# Altium PCB Even.PcbDoc (part 1 of 3)
Units mm, origin at the board's own origin, x right, y up, seen from the top; angles counter-clockwise.
Board outline 382.95 x 69.8 mm, 4 copper layers (Top Layer, Internal Top, Internal Bottom, Bottom Layer), stack 0.778 mm thick; 240 components, 191 nets, 723 pads, 380 vias.
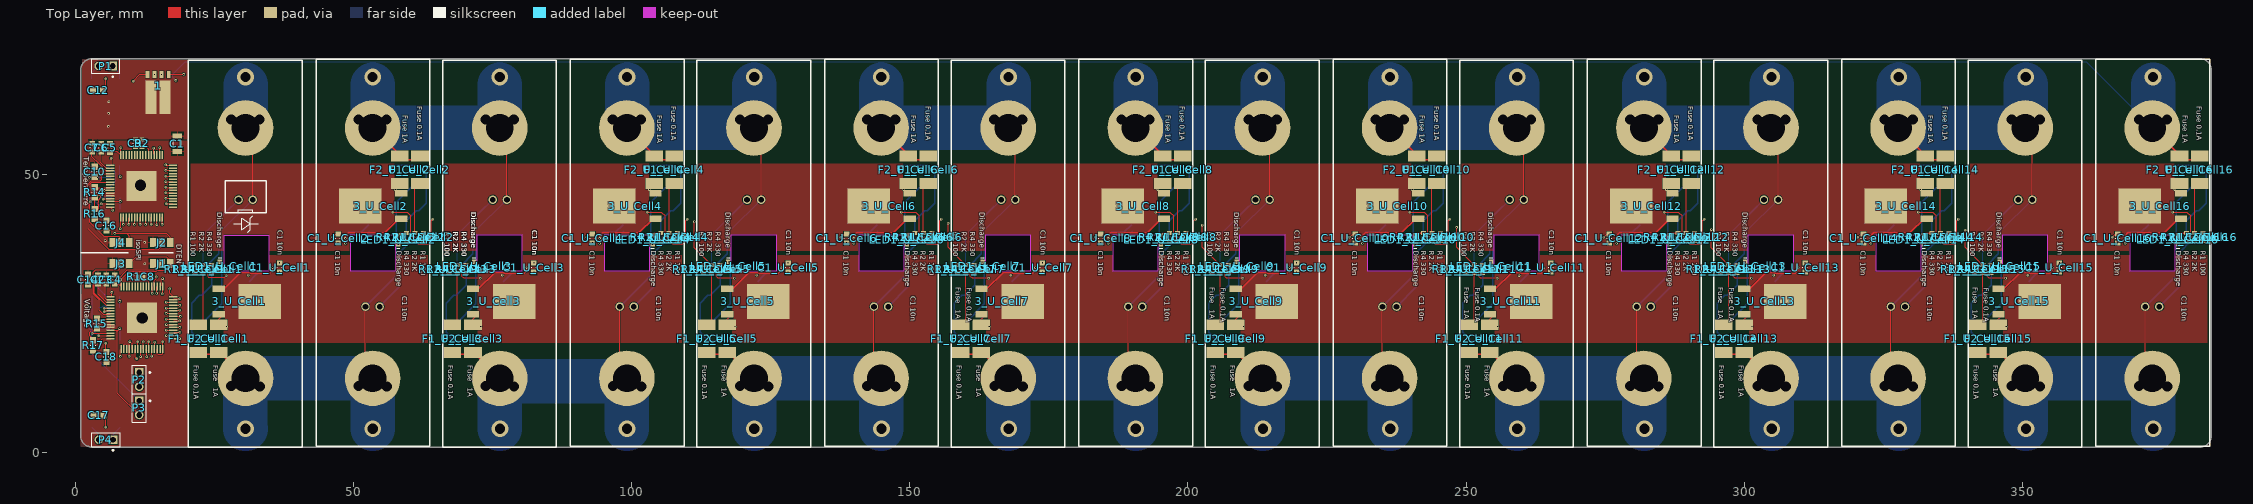
[diagram p0: Top Layer view]
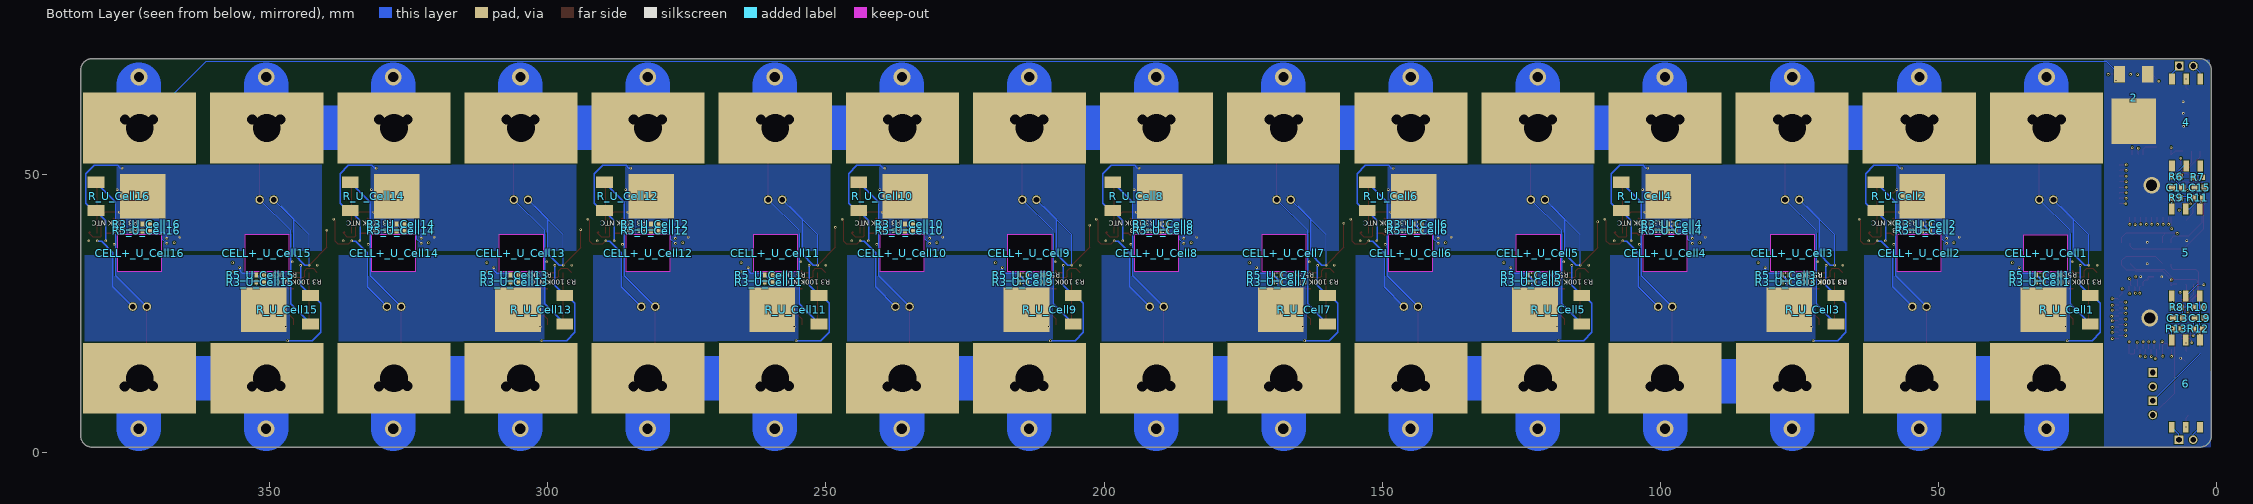
[diagram p1: Bottom Layer view, seen from below]
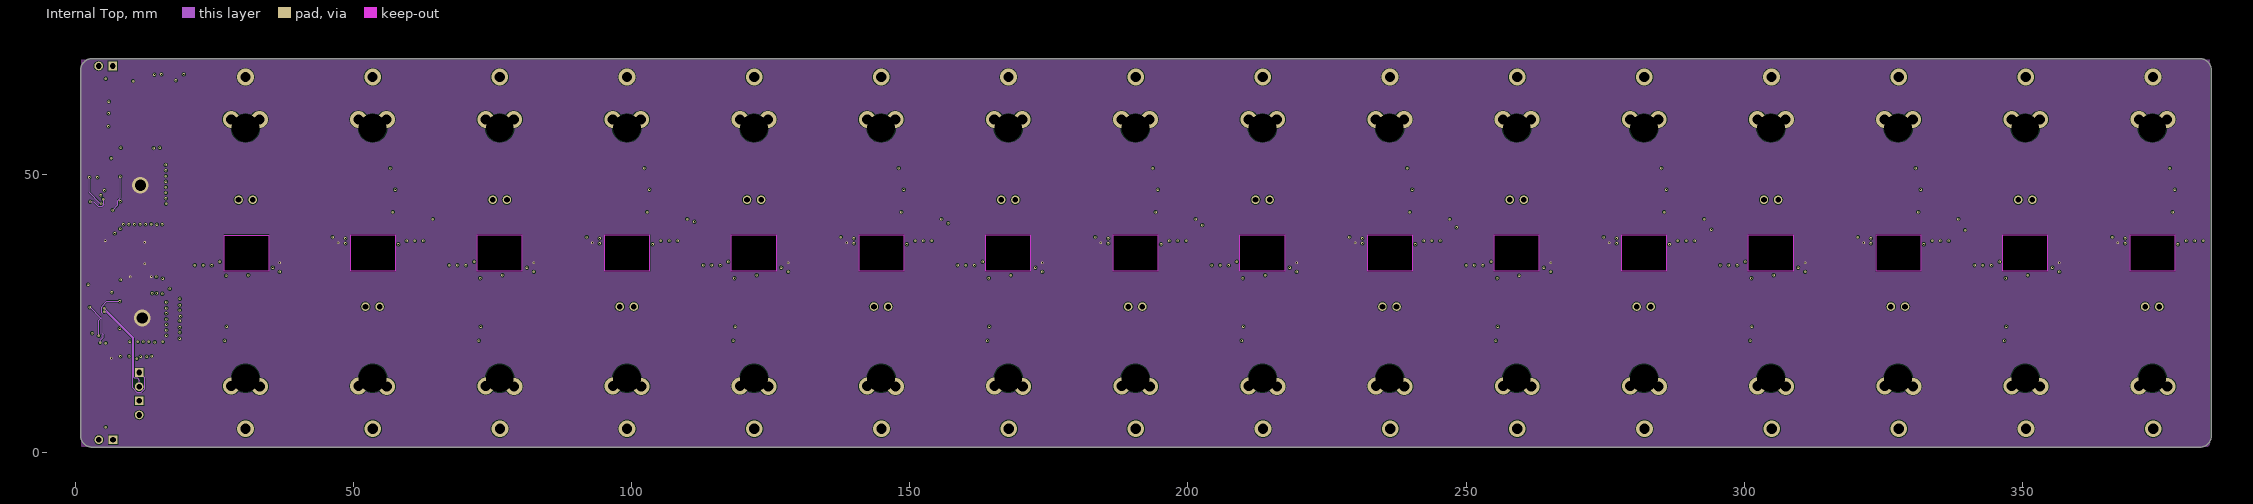
[diagram p2: Internal Top]
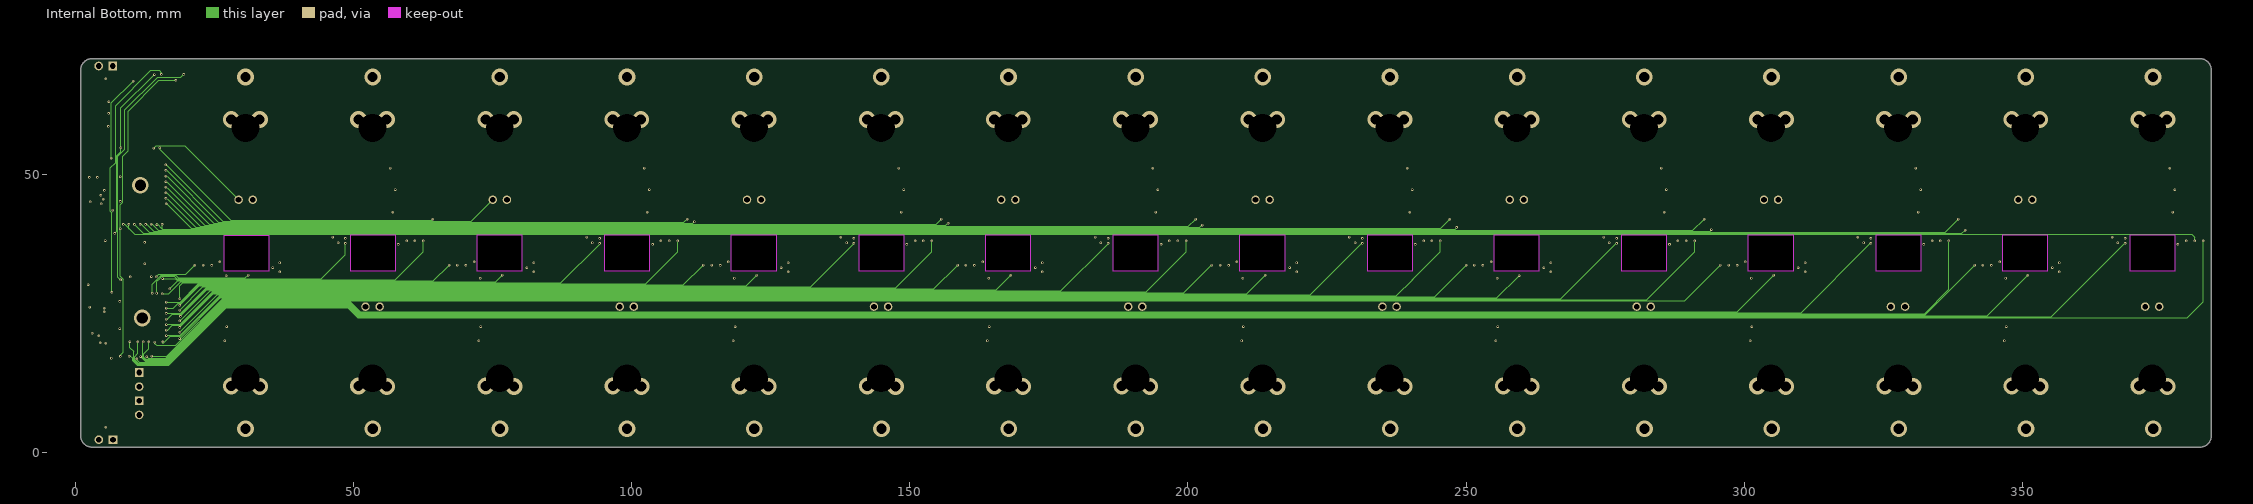
[diagram p3: Internal Bottom]

## Layer stack, top to bottom
Top Solder: solder mask 0.0102, Solder Resist, Dk 3.5
Top Layer: signal copper 0.0356
Dielectric 1: core 0.254, FR-4, Dk 4.2
Internal Top: signal copper 0.036
Dielectric 4: prepreg 0.127, Dk 4.2
Internal Bottom: signal copper 0.036
Dielectric 3: core 0.254, Dk 4.2
Bottom Layer: signal copper 0.0356
Bottom Solder: solder mask 0.0102, Solder Resist, Dk 3.5

## Board outline
1,3 1,68.8 cw(c3,68.8) 3,70.8 375.6,70.8 382,70.8 cw(c381.975,68.825) 383.95,68.8 383.95,3 cw(c381.975,2.975) 382,1 375.6,1 3,1 cw(c3,3)
cut-out: 72.25,39.125 80.275,39.125 80.275,32.624 72.25,32.624
cut-out: 72.25,39.125 80.275,39.125 80.275,32.624 72.25,32.624
cut-out: 377.425,32.625 369.4,32.625 369.4,39.126 377.425,39.126
cut-out: 331.725,32.625 323.7,32.625 323.7,39.126 331.725,39.126
cut-out: 286.025,32.625 278,32.625 278,39.126 286.025,39.126
cut-out: 240.325,32.625 232.3,32.625 232.3,39.126 240.325,39.126
cut-out: 194.625,32.625 186.6,32.625 186.6,39.126 194.625,39.126
cut-out: 148.925,32.625 140.9,32.625 140.9,39.126 148.925,39.126
cut-out: 103.225,32.625 95.2,32.625 95.2,39.126 103.225,39.126
cut-out: 255.05,39.125 263.075,39.125 263.075,32.624 255.05,32.624
cut-out: 346.45,39.125 354.475,39.125 354.475,32.624 346.45,32.624
cut-out: 300.75,39.125 308.775,39.125 308.775,32.624 300.75,32.624
cut-out: 209.35,39.125 217.375,39.125 217.375,32.624 209.35,32.624
cut-out: 163.65,39.125 171.675,39.125 171.675,32.624 163.65,32.624
cut-out: 117.95,39.125 125.975,39.125 125.975,32.624 117.95,32.624
cut-out: 57.525,32.625 49.5,32.625 49.5,39.126 57.525,39.126

## Design rules (kind name [scope] priority, off if disabled: settings)
Clearance [All] p1: gap=0.089 ignorepadtopadclearanceinfootprint=TRUE except(0: Arc-Text Arc-Hole Track-Text Track-Hole SMDPad-Text SMDPad-Hole THPad-Text THPad-Hole Via-Text Via-Hole Fill-Text Fill-Hole Poly-Text Poly-Hole Region-Text Region-Hole Text-Text Text-Hole; 0.127: Arc-THPad Arc-Via Track-THPad Track-Via SMDPad-THPad SMDPad-Via THPad-THPad THPad-Via THPad-Fill THPad-Poly THPad-Region Via-Via Via-Fill Via-Poly Via-Region)
HoleSize [All] p1: absolutevalues=TRUE maxlimit=6.3 minlimit=0.2 maxpercent=80.000 minpercent=20.000
MinimumAnnularRing [All] p1: minimumring=0.076
MinimumSolderMaskSliver [All] p1: minsoldermaskwidth=0.076
PlaneConnect [All] p1: planeconnectstyle=Direct reliefexpansion=0.508 reliefentries=4 reliefconductorwidth=0.254 reliefairgap=0.254
PolygonConnect "LTC6813 GND Plane" [HasFootprint('LQFP64_LWE_A')] p1: connectstyle=Direct reliefconductorwidth=2 reliefentries=4 polygonreliefangle="90 Angle" airgapwidth=0.254
PolygonConnect "TKH45 Planes" [HasFootprint('TO252-TKH-45')] p2: connectstyle=Direct reliefconductorwidth=0.254 reliefentries=4 polygonreliefangle="90 Angle" airgapwidth=0.254
PolygonConnect "LFPAK56 Planes" [HasFootprint('LFPAK56D')] p3: connectstyle=Direct reliefconductorwidth=0.254 reliefentries=4 polygonreliefangle="90 Angle" airgapwidth=0.254
PolygonConnect "TO252 Planes" [HasFootprint('TO252')] p4: connectstyle=Direct reliefconductorwidth=0.254 reliefentries=4 polygonreliefangle="90 Angle" airgapwidth=0.254
PolygonConnect "All planes" [All] p5: thpad.connectstyle=Relief thpad.reliefconductorwidth=0.254 thpad.reliefentries=4 thpad.polygonreliefangle="90 Angle" thpad.airgapwidth=0.254 smdpad.connectstyle=Relief smdpad.reliefconductorwidth=0.254 smdpad.reliefentries=4 smdpad.polygonreliefangle="90 Angle" smdpad.airgapwidth=0.254 via.connectstyle=Direct via.reliefconductorwidth=0.254 via.reliefentries=4 via.polygonreliefangle="90 Angle" via.airgapwidth=0.254
RoomDefinition U_Comms [InComponentClass('U_Comms')] p1: confinementstyle=ConfineIn formatcopy=TRUE lockcomponents=FALSE outline 20.85,73.875 0,73.875 0,0.15 20.85,0.15
RoomDefinition Even [InComponentClass('Even')] p2: confinementstyle=ConfineIn formatcopy=TRUE lockcomponents=FALSE outline 0.325,72.9 0.325,0.525 20.2,0.525 20.2,72.9
RoomDefinition U_Cell16 [InComponentClass('U_Cell16')] p3: confinementstyle=ConfineIn formatcopy=TRUE lockcomponents=FALSE outline 385.6,71 362.75,71 362.75,0.75 385.6,0.75
RoomDefinition U_Cell15 [InComponentClass('U_Cell15')] p4: confinementstyle=ConfineIn formatcopy=TRUE lockcomponents=FALSE outline 339.9,0.75 362.75,0.75 362.75,71 339.9,71
RoomDefinition U_Cell14 [InComponentClass('U_Cell14')] p5: confinementstyle=ConfineIn formatcopy=TRUE lockcomponents=FALSE outline 339.9,71 317.05,71 317.05,0.75 339.9,0.75
RoomDefinition U_Cell13 [InComponentClass('U_Cell13')] p6: confinementstyle=ConfineIn formatcopy=TRUE lockcomponents=FALSE outline 294.2,0.75 317.05,0.75 317.05,71 294.2,71
RoomDefinition U_Cell10 [InComponentClass('U_Cell10')] p7: confinementstyle=ConfineIn formatcopy=TRUE lockcomponents=FALSE outline 248.5,71 225.65,71 225.65,0.75 248.5,0.75
RoomDefinition U_Cell9 [InComponentClass('U_Cell9')] p8: confinementstyle=ConfineIn formatcopy=TRUE lockcomponents=FALSE outline 202.8,0.75 225.65,0.75 225.65,71 202.8,71
RoomDefinition U_Cell8 [InComponentClass('U_Cell8')] p9: confinementstyle=ConfineIn formatcopy=TRUE lockcomponents=FALSE outline 202.8,71 179.95,71 179.95,0.75 202.8,0.75
RoomDefinition U_Cell7 [InComponentClass('U_Cell7')] p10: confinementstyle=ConfineIn formatcopy=TRUE lockcomponents=FALSE outline 157.1,0.75 179.95,0.75 179.95,71 157.1,71
RoomDefinition U_Cell6 [InComponentClass('U_Cell6')] p11: confinementstyle=ConfineIn formatcopy=TRUE lockcomponents=FALSE outline 157.1,71 134.25,71 134.25,0.75 157.1,0.75
RoomDefinition U_Cell5 [InComponentClass('U_Cell5')] p12: confinementstyle=ConfineIn formatcopy=TRUE lockcomponents=FALSE outline 111.4,0.75 134.25,0.75 134.25,71 111.4,71
RoomDefinition U_Cell4 [InComponentClass('U_Cell4')] p13: confinementstyle=ConfineIn formatcopy=TRUE lockcomponents=FALSE outline 111.4,71 88.55,71 88.55,0.75 111.4,0.75
RoomDefinition U_Cell3 [InComponentClass('U_Cell3')] p14: confinementstyle=ConfineIn formatcopy=TRUE lockcomponents=FALSE outline 65.7,0.75 88.55,0.75 88.55,71 65.7,71
RoomDefinition U_Cell2 [InComponentClass('U_Cell2')] p15: confinementstyle=ConfineIn formatcopy=TRUE lockcomponents=FALSE outline 65.7,71 42.85,71 42.85,0.75 65.7,0.75
RoomDefinition U_Cell1 [InComponentClass('U_Cell1')] p16: confinementstyle=ConfineIn formatcopy=TRUE lockcomponents=FALSE outline 20,0.75 42.85,0.75 42.85,71 20,71
RoomDefinition U_Cell11 [InComponentClass('U_Cell11')] p17: confinementstyle=ConfineIn formatcopy=TRUE lockcomponents=FALSE outline 248.5,0.75 271.35,0.75 271.35,71 248.5,71
RoomDefinition U_Cell12 [InComponentClass('U_Cell12')] p18: confinementstyle=ConfineIn formatcopy=TRUE lockcomponents=FALSE outline 294.2,71 271.35,71 271.35,0.75 294.2,0.75
RoutingVias [All] p1: holewidth=0.2 width=0.45 viastyle="Through Hole" minholewidth=0.2 minwidth=0.45 maxholewidth=6 maxwidth=10
SilkToSilkClearance [All] p1: silktosilkclearance=0.076
SilkToSolderMaskClearance [IsPad] p1: minsilkscreentomaskgap=0.076 clearancetoexposedcopper=TRUE
SolderMaskExpansion [All] p1: expansion=0.102
UnRoutedNet [All] p1: checkbadconnections=TRUE
Width [All] p1: maxlimit=8 minlimit=0.089 preferedwidth=0.127
24 further rules are at their usual default settings.

## Classes and differential pairs
component class U_Comms: 4 5 6 C10 C11 C12 C13 C14 C15 C16 C17 C18 C19 P1 P2 P3 P4 R6 R7 R8 R9 R10 R11 R12 R13 R14 R15 R16 R17
net class V[1..16]: V1 V2 V3 V4 V5 V6 V7 V8 V9 V10 V11 V12 V13 V14 V15 V16
net class T[1..16]: T1 T2 T3 T4 T5 T6 T7 T8 T9 T10 T11 T12 T13 T14 T15 T16
net class S[1..16]: S1 S2 S3 S4 S5 S6 S7 S8 S9 S10 S11 S12 S13 S14 S15 S16
component class Even: 1 2 C1 C2 C3 C4 C5 C6 C7 C8 C9 J1 J2 J3 J4 R1 R2 Temperature Voltage
net class NEG[1..16]: NEG1 NEG2 NEG3 NEG4 NEG5 NEG6 NEG7 NEG8 NEG9 NEG10 NEG11 NEG12 NEG13 NEG14 NEG15 NEG16
component class U_Cell16: 3_U_Cell16 C1_U_Cell16 CELL+_U_Cell16 F1_U_Cell16 F2_U_Cell16 LED1_U_Cell16 R1_U_Cell16 R2_U_Cell16 R3_U_Cell16 R4_U_Cell16 R5_U_Cell16 R_U_Cell16
component class U_Cell15: 3_U_Cell15 C1_U_Cell15 CELL+_U_Cell15 F1_U_Cell15 F2_U_Cell15 LED1_U_Cell15 R1_U_Cell15 R2_U_Cell15 R3_U_Cell15 R4_U_Cell15 R5_U_Cell15 R_U_Cell15
component class U_Cell14: 3_U_Cell14 C1_U_Cell14 CELL+_U_Cell14 F1_U_Cell14 F2_U_Cell14 LED1_U_Cell14 R1_U_Cell14 R2_U_Cell14 R3_U_Cell14 R4_U_Cell14 R5_U_Cell14 R_U_Cell14
component class U_Cell13: 3_U_Cell13 C1_U_Cell13 CELL+_U_Cell13 F1_U_Cell13 F2_U_Cell13 LED1_U_Cell13 R1_U_Cell13 R2_U_Cell13 R3_U_Cell13 R4_U_Cell13 R5_U_Cell13 R_U_Cell13
component class U_Cell12: 3_U_Cell12 C1_U_Cell12 F1_U_Cell12 F2_U_Cell12 LED1_U_Cell12 R1_U_Cell12 R2_U_Cell12 R3_U_Cell12 R4_U_Cell12 R5_U_Cell12 R_U_Cell12
component class U_Cell11: 3_U_Cell11 C1_U_Cell11 CELL+_U_Cell11 F1_U_Cell11 F2_U_Cell11 LED1_U_Cell11 R1_U_Cell11 R2_U_Cell11 R3_U_Cell11 R4_U_Cell11 R5_U_Cell11 R_U_Cell11
component class U_Cell10: 3_U_Cell10 C1_U_Cell10 CELL+_U_Cell10 F1_U_Cell10 F2_U_Cell10 LED1_U_Cell10 R1_U_Cell10 R2_U_Cell10 R3_U_Cell10 R4_U_Cell10 R5_U_Cell10 R_U_Cell10
component class U_Cell9: 3_U_Cell9 C1_U_Cell9 CELL+_U_Cell9 F1_U_Cell9 F2_U_Cell9 LED1_U_Cell9 R1_U_Cell9 R2_U_Cell9 R3_U_Cell9 R4_U_Cell9 R5_U_Cell9 R_U_Cell9
component class U_Cell8: 3_U_Cell8 C1_U_Cell8 F1_U_Cell8 F2_U_Cell8 LED1_U_Cell8 R1_U_Cell8 R2_U_Cell8 R3_U_Cell8 R4_U_Cell8 R5_U_Cell8 R_U_Cell8
component class U_Cell7: 3_U_Cell7 C1_U_Cell7 CELL+_U_Cell7 F1_U_Cell7 F2_U_Cell7 LED1_U_Cell7 R1_U_Cell7 R2_U_Cell7 R3_U_Cell7 R4_U_Cell7 R5_U_Cell7 R_U_Cell7
component class U_Cell6: 3_U_Cell6 C1_U_Cell6 CELL+_U_Cell6 F1_U_Cell6 F2_U_Cell6 LED1_U_Cell6 R1_U_Cell6 R2_U_Cell6 R3_U_Cell6 R4_U_Cell6 R5_U_Cell6 R_U_Cell6
component class U_Cell5: 3_U_Cell5 C1_U_Cell5 CELL+_U_Cell5 F1_U_Cell5 F2_U_Cell5 LED1_U_Cell5 R1_U_Cell5 R2_U_Cell5 R3_U_Cell5 R4_U_Cell5 R5_U_Cell5 R_U_Cell5
component class U_Cell4: 3_U_Cell4 C1_U_Cell4 F1_U_Cell4 F2_U_Cell4 LED1_U_Cell4 R1_U_Cell4 R2_U_Cell4 R3_U_Cell4 R4_U_Cell4 R5_U_Cell4 R_U_Cell4
component class U_Cell3: 3_U_Cell3 C1_U_Cell3 CELL+_U_Cell3 F1_U_Cell3 F2_U_Cell3 LED1_U_Cell3 R1_U_Cell3 R2_U_Cell3 R3_U_Cell3 R4_U_Cell3 R5_U_Cell3 R_U_Cell3
component class U_Cell2: 3_U_Cell2 C1_U_Cell2 CELL+_U_Cell2 F1_U_Cell2 F2_U_Cell2 LED1_U_Cell2 R1_U_Cell2 R2_U_Cell2 R3_U_Cell2 R4_U_Cell2 R5_U_Cell2 R_U_Cell2
component class U_Cell1: 3_U_Cell1 C1_U_Cell1 CELL+_U_Cell1 Discharge F1_U_Cell1 F2_U_Cell1 LED1_U_Cell1 "R1 100" R1_U_Cell1 "R2 2K" R2_U_Cell1 R3_U_Cell1 "R4 330" R4_U_Cell1 R5_U_Cell1 R_U_Cell1
channel class Cell: Cell1 Cell2 Cell3 Cell4 Cell5 Cell6 Cell7 Cell8 Cell9 Cell10 Cell11 Cell12 Cell13 Cell14 Cell15 Cell16

## Components (designator, comment, footprint, x,y, rotation, side; value= is the part's Value field where it differs from the comment)
1 "PHPT610030NK" LFPAK56D 14.9,64.8 r180 top
2 "TKH45" TO252-TKH-45 14.95,55.5 r0 bottom
3_U_Cell1 "DMP10H400SK3-13" TO252 33.209,27.205 r270 top (schematic designator 3)
3_U_Cell2 "DMP10H400SK3-13" TO252 51.216,44.304 r90 top (schematic designator 3)
3_U_Cell3 "DMP10H400SK3-13" TO252 78.909,27.205 r270 top (schematic designator 3)
3_U_Cell4 "DMP10H400SK3-13" TO252 96.916,44.304 r90 top (schematic designator 3)
3_U_Cell5 "DMP10H400SK3-13" TO252 124.609,27.205 r270 top (schematic designator 3)
3_U_Cell6 "DMP10H400SK3-13" TO252 142.616,44.304 r90 top (schematic designator 3)
3_U_Cell7 "DMP10H400SK3-13" TO252 170.309,27.205 r270 top (schematic designator 3)
3_U_Cell8 "DMP10H400SK3-13" TO252 188.316,44.304 r90 top (schematic designator 3)
3_U_Cell9 "DMP10H400SK3-13" TO252 216.009,27.205 r270 top (schematic designator 3)
3_U_Cell10 "DMP10H400SK3-13" TO252 234.016,44.304 r90 top (schematic designator 3)
3_U_Cell11 "DMP10H400SK3-13" TO252 261.709,27.205 r270 top (schematic designator 3)
3_U_Cell12 "DMP10H400SK3-13" TO252 279.716,44.304 r90 top (schematic designator 3)
3_U_Cell13 "DMP10H400SK3-13" TO252 307.409,27.205 r270 top (schematic designator 3)
3_U_Cell14 "DMP10H400SK3-13" TO252 325.416,44.304 r90 top (schematic designator 3)
3_U_Cell15 "DMP10H400SK3-13" TO252 353.109,27.205 r270 top (schematic designator 3)
3_U_Cell16 "DMP10H400SK3-13" TO252 371.116,44.304 r90 top (schematic designator 3)
4 "HM2108NL" HM2108NL 5.5,59.375 r0 bottom
5 "HM2108NL" HM2108NL 5.575,35.95 r0 bottom
6 "HM2108NL" HM2108NL 5.55,12.4 r180 bottom
C1 "CAP 220nF 100V 1206(3216)" CAPC1206(3216)190_L 18.364,55.524 r90 top value=220nF
C1_U_Cell1 "CAP 10nF 100V 0603(1608)" CAPC0603(1608)100_N 36.75,33.25 r270 top value=10nF (schematic designator C1)
C1_U_Cell2 "CAP 10nF 100V 0603(1608)" CAPC0603(1608)100_N 47.25,38.5 r90 top value=10nF (schematic designator C1)
C1_U_Cell3 "CAP 10nF 100V 0603(1608)" CAPC0603(1608)100_N 82.45,33.25 r270 top value=10nF (schematic designator C1)
C1_U_Cell4 "CAP 10nF 100V 0603(1608)" CAPC0603(1608)100_N 92.95,38.5 r90 top value=10nF (schematic designator C1)
C1_U_Cell5 "CAP 10nF 100V 0603(1608)" CAPC0603(1608)100_N 128.15,33.25 r270 top value=10nF (schematic designator C1)
C1_U_Cell6 "CAP 10nF 100V 0603(1608)" CAPC0603(1608)100_N 138.65,38.5 r90 top value=10nF (schematic designator C1)
C1_U_Cell7 "CAP 10nF 100V 0603(1608)" CAPC0603(1608)100_N 173.85,33.25 r270 top value=10nF (schematic designator C1)
C1_U_Cell8 "CAP 10nF 100V 0603(1608)" CAPC0603(1608)100_N 184.35,38.5 r90 top value=10nF (schematic designator C1)
C1_U_Cell9 "CAP 10nF 100V 0603(1608)" CAPC0603(1608)100_N 219.55,33.25 r270 top value=10nF (schematic designator C1)
C1_U_Cell10 "CAP 10nF 100V 0603(1608)" CAPC0603(1608)100_N 230.05,38.5 r90 top value=10nF (schematic designator C1)
C1_U_Cell11 "CAP 10nF 100V 0603(1608)" CAPC0603(1608)100_N 265.25,33.25 r270 top value=10nF (schematic designator C1)
C1_U_Cell12 "CAP 10nF 100V 0603(1608)" CAPC0603(1608)100_N 275.75,38.5 r90 top value=10nF (schematic designator C1)
C1_U_Cell13 "CAP 10nF 100V 0603(1608)" CAPC0603(1608)100_N 310.95,33.25 r270 top value=10nF (schematic designator C1)
C1_U_Cell14 "CAP 10nF 100V 0603(1608)" CAPC0603(1608)100_N 321.45,38.5 r90 top value=10nF (schematic designator C1)
C1_U_Cell15 "CAP 10nF 100V 0603(1608)" CAPC0603(1608)100_N 356.65,33.25 r270 top value=10nF (schematic designator C1)
C1_U_Cell16 "CAP 10nF 100V 0603(1608)" CAPC0603(1608)100_N 367.15,38.5 r90 top value=10nF (schematic designator C1)
C2 "CAP 1uF 16V 0603(1608)" CAPC0603(1608)100_N 4.1,31.1 r90 top value=1uF
C3 "CAP 1uF 16V 0603(1608)" CAPC0603(1608)100_N 5.6,31.1 r90 top value=1uF
C4 "CAP 1uF 16V 0603(1608)" CAPC0603(1608)100_N 7.1,31.1 r270 top value=1uF
C5 "CAP 1uF 16V 0603(1608)" CAPC0603(1608)100_N 6.25,54.788 r270 top value=1uF
C6 "CAP 1uF 16V 0603(1608)" CAPC0603(1608)100_N 4.66,54.8 r270 top value=1uF
C7 "CAP 1uF 16V 0603(1608)" CAPC0603(1608)100_N 3.099,54.813 r270 top value=1uF
C8 "CAP 10nF 16V 0603(1608)" CAPC0603(1608)100_L 13,31.6 r0 top value=10nF
C9 "CAP 10nF 16V 0603(1608)" CAPC0603(1608)100_L 10.795,55.6 r270 top value=10nF
C10 "CAP 10nF 10V 0603(1608)" CAPC0603(1608)100_M 3.5,50.5 r90 top value=10nF
C11 "CAP 10nF 10V 0603(1608)" CAPC0603(1608)100_M 7.1,47.65 r180 bottom value=10nF
C12 "CAP 10nF 10V 0603(1608)" CAPC0603(1608)100_M 4.1,65.1 r180 top value=10nF
C13 "CAP 10nF 10V 0603(1608)" CAPC0603(1608)100_M 7,24.2 r0 bottom value=10nF
C14 "CAP 10nF 10V 0603(1608)" CAPC0603(1608)100_M 2.3,31.1 r270 top value=10nF
C15 "CAP 10nF 10V 0603(1608)" CAPC0603(1608)100_M 3.1,47.65 r180 bottom value=10nF
C16 "CAP 10nF 10V 0603(1608)" CAPC0603(1608)100_M 5.6,40.8 r90 top value=10nF
C17 "CAP 10nF 10V 0603(1608)" CAPC0603(1608)100_M 4.2,6.7 r0 top value=10nF
C18 "CAP 10nF 10V 0603(1608)" CAPC0603(1608)100_M 5.6,17.2 r270 top value=10nF
C19 "CAP 10nF 10V 0603(1608)" CAPC0603(1608)100_M 3.1,24.2 r0 bottom value=10nF
CELL+_U_Cell1 "LI6PT" 6PT#1 20.46,1.11 r0 top (schematic designator CELL+)
CELL+_U_Cell2 "LI6PT" 6PT#2 63.615,70.61 r180 top (schematic designator CELL+)
CELL+_U_Cell3 "LI6PT" 6PT#2 66.16,1.11 r0 top (schematic designator CELL+)
CELL+_U_Cell4 "LI6PT" 6PT#2 109.315,70.61 r180 top (schematic designator CELL+)
CELL+_U_Cell5 "LI6PT" 6PT#2 111.86,1.11 r0 top (schematic designator CELL+)
CELL+_U_Cell6 "LI6PT" 6PT#2 155.015,70.61 r180 top (schematic designator CELL+)
CELL+_U_Cell7 "LI6PT" 6PT#2 157.56,1.11 r0 top (schematic designator CELL+)
CELL+_U_Cell8 "LI6PT" 6PT#2 200.715,70.61 r180 top (schematic designator CELL+)
CELL+_U_Cell9 "LI6PT" 6PT#2 203.26,1.11 r0 top (schematic designator CELL+)
CELL+_U_Cell10 "LI6PT" 6PT#2 246.415,70.61 r180 top (schematic designator CELL+)
CELL+_U_Cell11 "LI6PT" 6PT#2 248.96,1.11 r0 top (schematic designator CELL+)
CELL+_U_Cell12 "LI6PT" 6PT#2 292.115,70.61 r180 top (schematic designator CELL+)
CELL+_U_Cell13 "LI6PT" 6PT#2 294.66,1.11 r0 top (schematic designator CELL+)
CELL+_U_Cell14 "LI6PT" 6PT#2 337.815,70.61 r180 top (schematic designator CELL+)
CELL+_U_Cell15 "LI6PT" 6PT#2 340.36,1.11 r0 top (schematic designator CELL+)
CELL+_U_Cell16 "LI6PT" 6PT#2 383.515,70.61 r180 top (schematic designator CELL+)
F1_U_Cell1 "0679L" 2410SMD 22.1,20.5 r270 top (schematic designator F1)
F1_U_Cell2 "0679L" 2410SMD 61.975,50.85 r90 top (schematic designator F1)
F1_U_Cell3 "0679L" 2410SMD 67.8,20.5 r270 top (schematic designator F1)
F1_U_Cell4 "0679L" 2410SMD 107.675,50.85 r90 top (schematic designator F1)
F1_U_Cell5 "0679L" 2410SMD 113.5,20.5 r270 top (schematic designator F1)
F1_U_Cell6 "0679L" 2410SMD 153.375,50.85 r90 top (schematic designator F1)
F1_U_Cell7 "0679L" 2410SMD 159.2,20.5 r270 top (schematic designator F1)
F1_U_Cell8 "0679L" 2410SMD 199.075,50.85 r90 top (schematic designator F1)
F1_U_Cell9 "0679L" 2410SMD 204.9,20.5 r270 top (schematic designator F1)